# KiCad board IO_SDR_1.1.kicad_pcb (continued)
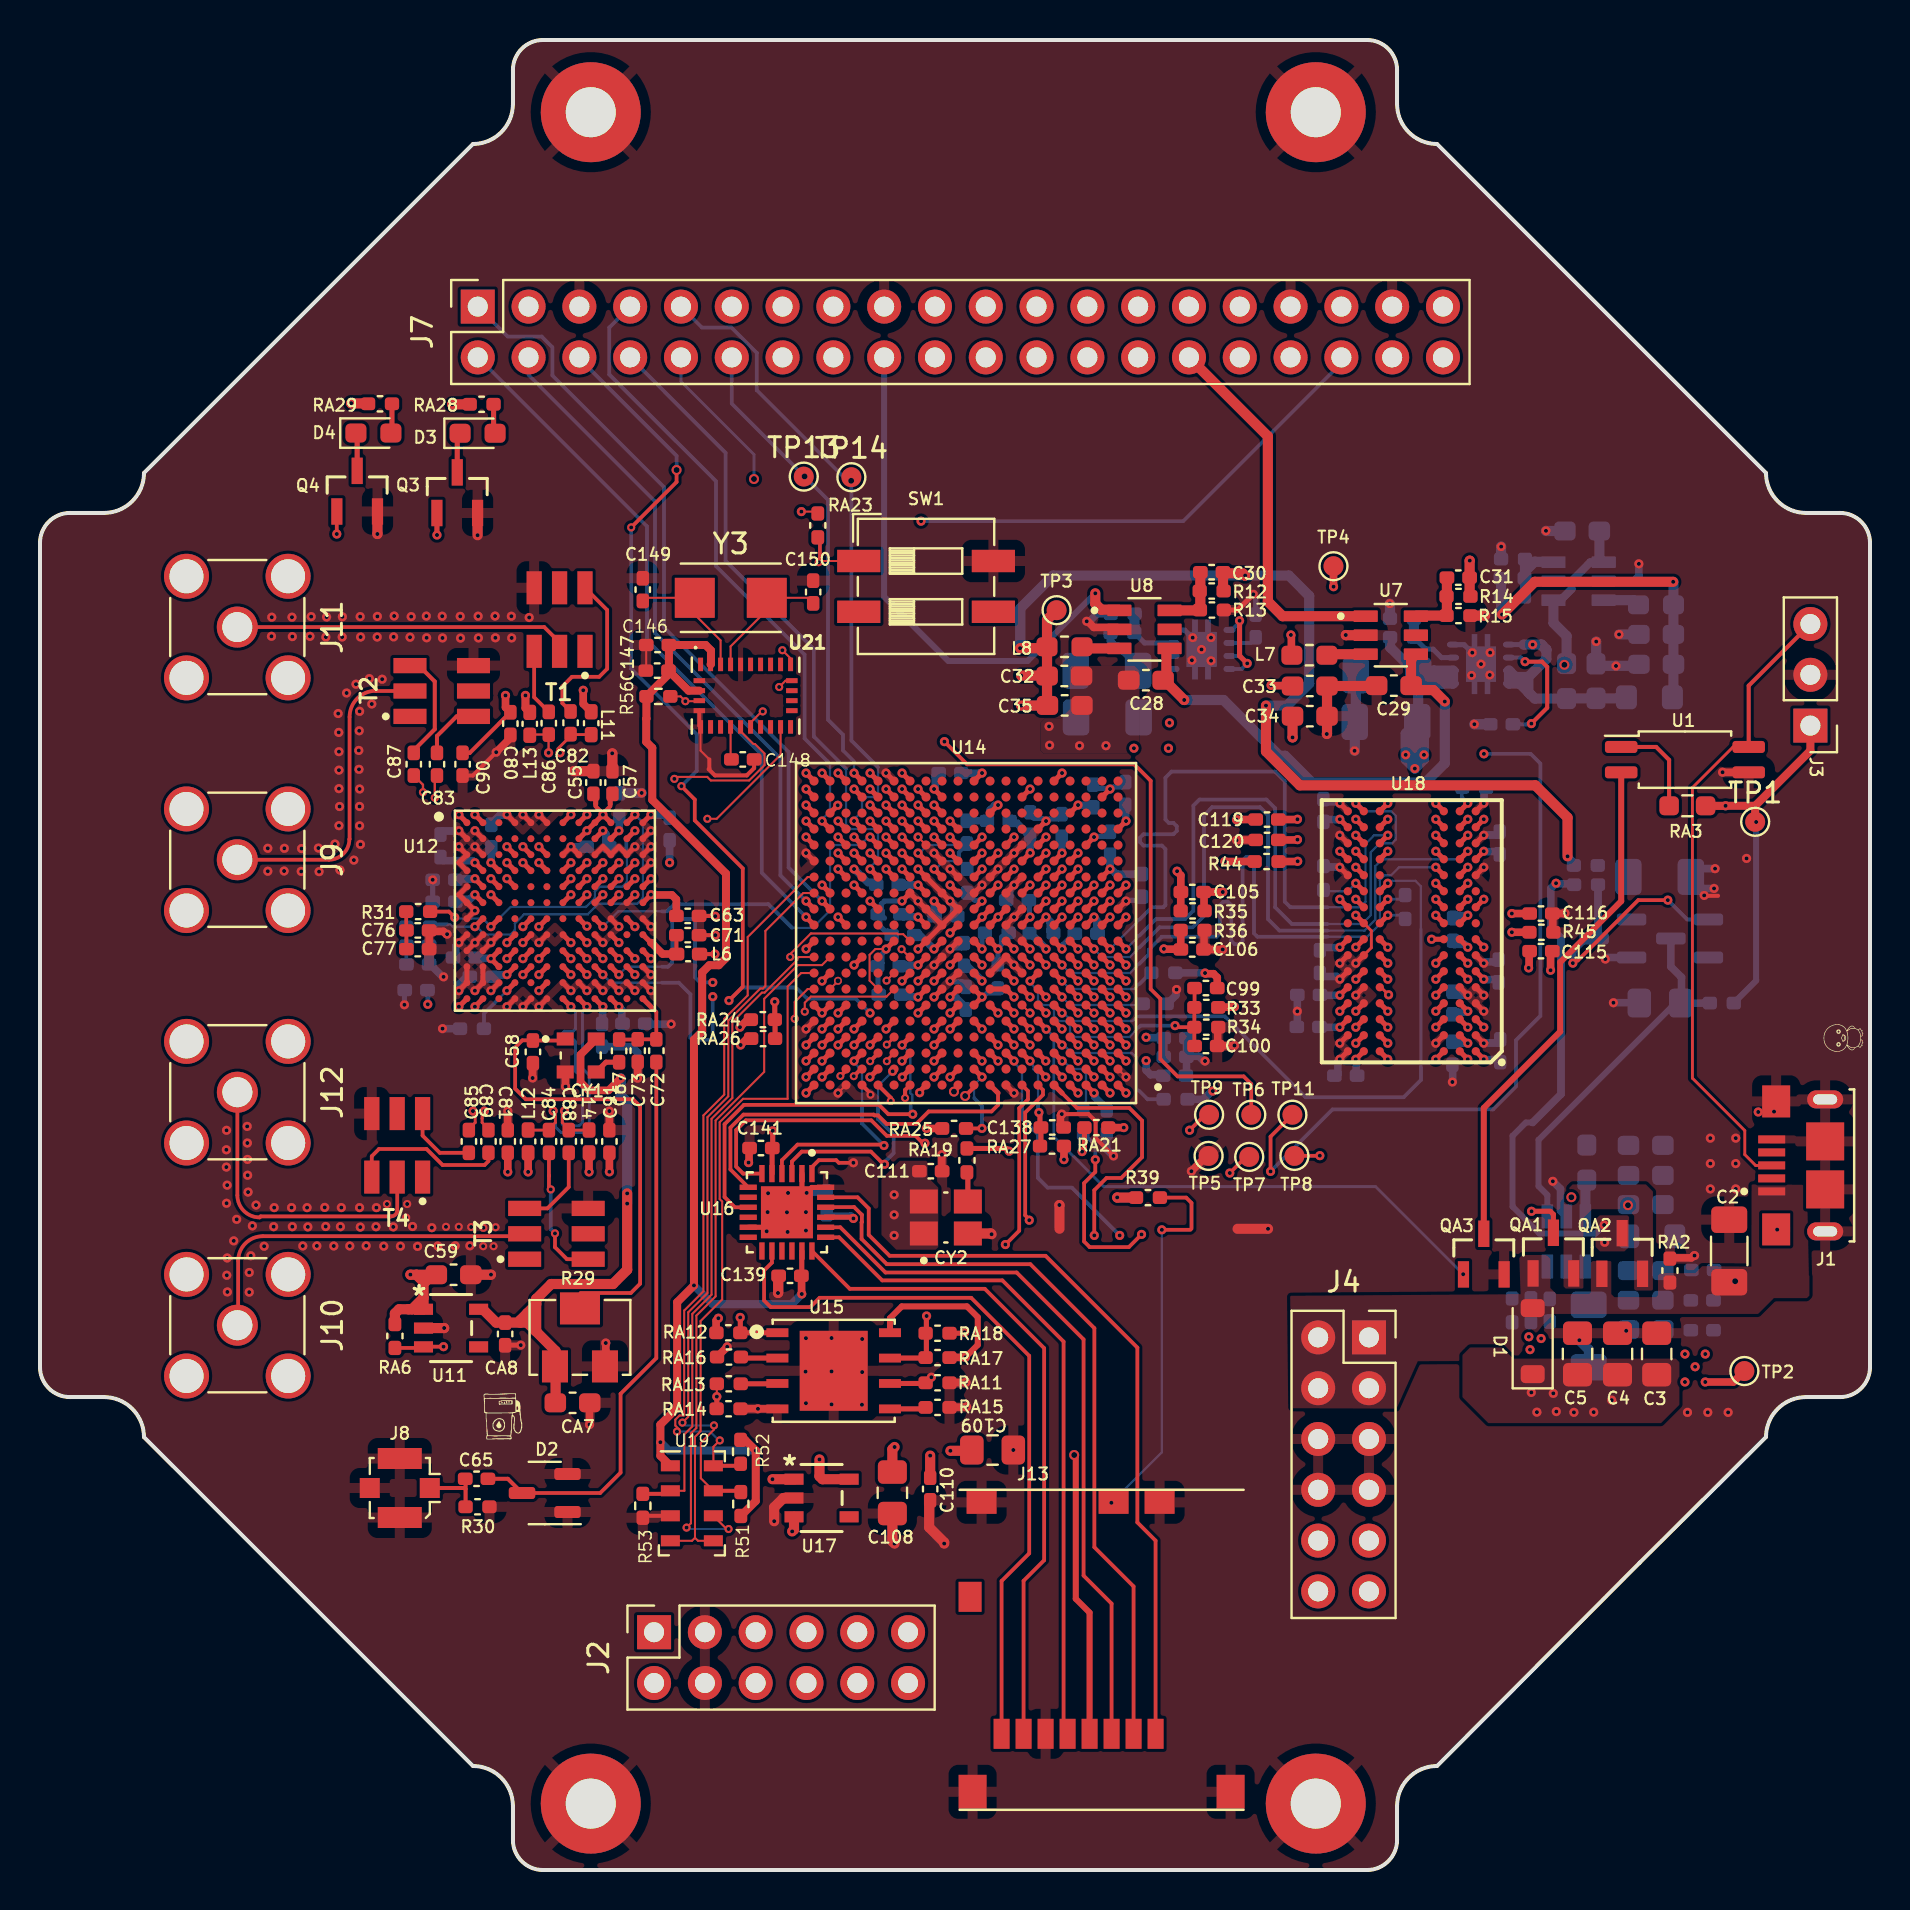
[diagram p0: board, top side]
## Routing (per net, layer and track width the routed paths; a pad name or vN(x,y) marks a point on that pad's centre or on a via; arc(x,y) is an arc through that point) (continued)
TX_VCO_1P1V_SUPPLY: length 15.2
  Top.Cu w0.186: v1(20.74,47.63) 20.44,47.92 R31.2
  Top.Cu w0.254: v1(22.55,47.17) 22.95,47.57 ; U12.B11 v1(29.75,51.97)
  Bottom.Cu w0.113: v1(20.74,47.63) 20.8,47.57 22.14,47.57 v1(22.55,47.17) 23.53,48.15 27.3,48.15 27.74,48.6 27.74,48.93 27.98,49.16 29.11,49.16 29.34,49.4 29.34,51.05 29.31,51.08
  Bottom.Cu w0.186: v1(29.75,51.97) 29.31,51.53 29.31,51.08
UART_RX: length 50
  Top.Cu w0.254: U14.E8 v1(48.7,42.05)
  In4PWR2.Cu w0.113: v1(48.7,42.05) 48.7,42.13 49.1,42.53 49.1,49.3 49.1,49.31 49.1,49.41 49.34,49.65 49.66,49.65 49.9,49.88 49.9,50.23 50.12,50.45 50.47,50.45 50.7,50.68 50.7,55.45 51.24,55.99 51.24,59.72 56.44,64.92 56.44,78.59 57.03,79.18 64.06,79.18 J7.35
UART_TX: length 56.8
  Top.Cu w0.254: U14.D9 v1(47.9,41.25)
  In4PWR2.Cu w0.113: J7.38 66.6,76.64 66.6,78.11 65.32,79.39 56.52,79.39 55.98,78.85 55.98,65.53 49.9,59.45 49.9,50.68 49.66,50.45 49.34,50.45 49.1,50.21 49.1,49.88 48.86,49.65 48.54,49.65 48.3,49.41 48.3,49.08 47.5,48.29 47.5,45.82 47.48,45.8 47.48,45.57 47.5,45.55 47.5,44.53 48.3,43.74 48.3,41.73 47.9,41.33 v1(47.9,41.25)
USR_BTN: length 96.7
  Top.Cu w0.102: SW1.1 39,65.45
  Top.Cu w0.186: v1(55.08,31.78) 54.44,31.14 52.49,31.14 52.21,31.42 52.21,34.35 52.77,34.9 v1(52.77,35.51) ; 39,66.52 39,65.45 v3(38.94,65.39)
  In4PWR2.Cu w0.113: v1(55.08,31.78) 54.41,32.45 50.67,32.45 49.72,33.41 44.28,33.41 43.04,34.65 39.86,34.65 38.34,36.17 36.39,36.17 35.98,36.58 19.37,36.58 18.75,37.2 18.75,45.04 18.76,45.04 18.76,56.99 19.34,57.57 34.9,57.57 35.72,58.39 35.72,58.97 39.2,62.45 39.2,65.13 v3(38.94,65.39)
  Bottom.Cu w0.186: 52.16,36.81 52.38,36.58 52.42,36.58 52.77,36.24 v1(52.77,35.51)
USR_LED: length 97
  Top.Cu w0.254: v1(19.85,66.75) 19.85,67.85 ; U14.C8 v1(48.7,40.45)
  In4PWR2.Cu w0.113: v1(53.98,31.73) 53.91,31.73 53.48,32.16 50.4,32.16 49.45,33.12 44.16,33.12 43.03,34.24 39.69,34.24 38.11,35.82 36.33,35.82 35.9,36.25 18.65,36.25 17.59,37.31 17.59,42.51 17.58,42.52 17.58,43.84 18.44,44.7 18.44,57.12 19.22,57.9 27.24,57.9 27.67,58.33 27.67,59.6 27.29,59.98 27.29,63.62 26.02,64.89 20.1,64.89 19.85,65.14 v1(19.85,66.75)
  Bottom.Cu w0.113: v1(48.7,40.45) 48.7,40.36 49.1,39.97 49.1,38.28
  Bottom.Cu w0.186: 49.1,38.28 49.1,37.57 49.89,36.77 49.89,34.6 50.38,34.12 51.6,34.12 v1(53.98,31.73)
Net-(C10-Pad1): length 17.1
  Top.Cu w0.508: v1(81.66,64.41) 74.74,64.41 v1(73.1,62.77)
  Bottom.Cu w0.508: v1(73.1,62.77) 73.05,62.82 73.05,63.96 ; 73.05,63.96 C10.1 ; 73.05,63.96 73.05,64.57 ; 81.67,58.69 81.67,60.28 ; v1(81.66,64.41) 81.67,64.39 L1.2 C12.1
Net-(C14-Pad1): length 3
  In2_Sig1.Cu w0.4: v2(76.57,33.64) 76.97,33.24 v2(79.4,33.24)
  Bottom.Cu w0.4: C15.1 79.42,33.26 v2(79.4,33.24)
  vias: v1(74.44,26.66) v1(74.5,26.02) v1(75.06,26.57)
Net-(C76-Pad2): length 1.9
  Top.Cu w0.186: 18.31,46.99 R31.1 ; C77.2 C76.2
Net-(C78-Pad2): length 1.9
  Bottom.Cu w0.186: 18.31,46.23 R32.1 ; C79.2 C78.2
Net-(C82-Pad2): length 8.5
  Top.Cu w0.186: T1.6 28.36,63 28.36,60.06 27.96,59.66 26.6,59.66 26.12,59.18 26.12,58.34 C82.2
Net-(C83-Pad2): length 3.1
  Top.Cu w0.2: T2.6 20.83,57.68 19.85,56.7 C83.2
Net-(C84-Pad2): length 6.8
  Top.Cu w0.186: v3(25.75,31.83) 25.75,31.14 26.35,30.54 T3.6 ; C84.2 25.45,34.12 v3(25.54,34.03)
  Bottom.Cu w0.186: v3(25.54,34.03) 25.54,32.04 v3(25.75,31.83)
Net-(C85-Pad2): length 3.8
  Top.Cu w0.186: C85.2 19.99,35.86 19.13,36.72 T4.6
Net-(C86-Pad2): length 3.3
  Top.Cu w0.186: T1.3 24.71,58.64 C86.2
Net-(C87-Pad2): length 5
  Top.Cu w0.2: 18.69,55.99 19.74,57.04 19.74,59.42 18.94,60.22
Net-(C88-Pad2): length 4.4
  Top.Cu w0.186: C88.2 26.44,34.15 25.37,33.08 T3.3
Net-(C89-Pad2): length 7.9
  Top.Cu w0.186: T4.3 16.59,35.69 16.95,36.05 19.33,36.05 20.13,35.25 22.23,35.25 22.42,35.44 C89.2
Net-(CY1-Out): length 1.3
  Top.Cu w0.254: CY1.3 28.3,40.39 28.96,40.39
Net-(CY1-Standby): length 23.3
  Top.Cu w0.186: 24.64,41.48 24.11,41.48 23.76,41.13 23.76,39.07 24.29,38.54 29.65,38.54 30.01,38.18 30.01,29.32 29.54,28.85 27.03,28.85 ; 24.65,41.47 26.18,41.47
Net-(D3-A): length 1.4
  Top.Cu w0.254: 22.68,71.91 RA28.2
Net-(D3-K): length 1.8
  Top.Cu w0.254: Q3.3 20.86,71.7
Net-(D4-A): length 1.4
  Top.Cu w0.254: 17.6,71.9 RA29.2
Net-(D4-K): length 1.8
  Top.Cu w0.254: Q4.3 15.86,71.79
Net-(J8-In): length 3.2
  Top.Cu w0.2: J8.1 21.23,19.1 21.28,19.05 ; 21.28,19.05 21.28,19.54 ; 21.28,19.05 R30.1
Net-(Q1-B): length 12.7
  Top.Cu w0.186: v1(81.39,48.49) 79.91,48.49 76.89,45.47 76.77,45.47 v1(76.64,45.34)
  Bottom.Cu w0.186: Q1.1 82.36,47.53 v1(81.39,48.49)
  Bottom.Cu w0.381: Q2.3 77.9,46.77 R2.2 ; v1(76.64,45.34) 76.64,45.95 77.27,46.58
Net-(Q1-C): length 18.5
  Bottom.Cu w0.3: U4.1 75.37,33.75 74.93,34.19 74.93,36.51 81.77,43.35
  Bottom.Cu w0.381: 82.08,43.38 82.08,44.63 81.54,45.17 Q1.3 ; C9.1 R3.2
Net-(QA3-D): length 25.9
  Top.Cu w0.3: QA3.3 72.19,38.1 76.01,41.92 76.01,45.39 79.06,48.44 U1.2
Net-(R42-Pad2): length 2.3
  Top.Cu w0.254: 47.5,46.45 v1(47.9,46.05)
  Bottom.Cu w0.254: 48.27,46.84 48.08,46.65 48.08,46.28 47.9,46.1 v1(47.9,46.05) 47.89,46.04 47.89,45.29
Net-(RA3-Pad2): length 5
  Top.Cu w0.203: U1.1 80.81,56.15 81.46,55.5 RA3.2
Net-(U3-FB/OUT): length 4
  Bottom.Cu w0.508: 74.25,64.93 R5.1 74.39,65.41 74.76,65.41 ; 74.25,64.93 74.25,63.69 ; 74.25,64.93 74.73,65.41 74.76,65.41 ; 74.76,65.41 75.65,65.41
Net-(U3-LX): length 1.8
  Bottom.Cu w0.508: L1.1 79.69,63.49 78.18,63.49
Net-(U4-LX): length 1.7
  Bottom.Cu w0.508: U4.3 77.27,32.69 77.27,34.42 77.27,34.43
Net-(U5-FB): length 3.3
  Bottom.Cu w0.254: R8.2 69.29,61.04 69.66,61.04 70.08,60.62 U5.3
  Bottom.Cu w0.508: 68.7,61.63 R9.1
Net-(U5-NR): length 6.2
  Top.Cu w0.203: v1(74.57,57.32) 75.36,58.11 75.36,60.16 75.1,60.42 v1(74.25,60.42)
  Bottom.Cu w0.203: U5.6 74.05,60.62 v1(74.25,60.42) ; v1(74.57,57.32) 74.53,57.29 C24.1
Net-(U6-FB): length 3.1
  Bottom.Cu w0.254: R10.2 55.23,61.35 U6.3
  Bottom.Cu w0.508: 54.73,61.87 R11.1
Net-(U6-NR): length 1.4
  Bottom.Cu w0.186: U6.6 60.55,61.35 60.78,61.58
Net-(U7-FB/OUT): length 3.4
  Top.Cu w0.508: 70.35,62.74 C31.2 ; 68.82,62.72 R15.1
Net-(U7-LX): length 1.9
  Top.Cu w0.508: 64.39,60.79 66.28,60.79
Net-(U8-FB/OUT): length 3.4
  Top.Cu w0.508: 58.02,63.02 C30.2 ; U8.6 57.98,62.98
Net-(U8-LX): length 1.8
  Top.Cu w0.508: 52.18,61.08 U8.3
Net-(U12-RBIAS): length 2.9
  Top.Cu w0.254: v1(23.35,43.97) U12.L4
  Bottom.Cu w0.113: 22.95,43.57 v1(23.35,43.97)
  Bottom.Cu w0.186: 22.95,43.57 22.2,42.82 RA8.1
Net-(U14G-PS_DDR_VRN_502): length 4.6
  Top.Cu w0.254: U14.G5 v1(51.1,43.65)
  Bottom.Cu w0.113: 54.97,43.25 51.5,43.25 v1(51.1,43.65)
Net-(U14G-PS_DDR_VRP_502): length 5.5
  Top.Cu w0.254: U14.H5 v1(51.1,44.45)
  Bottom.Cu w0.113: 54.97,44.3 54.72,44.05 51.5,44.05 v1(51.1,44.45)
  Bottom.Cu w0.186: 54.97,44.3 55.53,44.86
Net-(U14H-PS_CLK_500): length 9.6
  Top.Cu w0.254: v1(48.46,35.94) 48.32,36.08 RA19.1 ; U14.E7 v1(49.5,42.05)
  In4PWR2.Cu w0.113: v1(48.46,35.94) 48.46,37.84 48.3,37.99 48.3,39.81 48.54,40.05 48.87,40.05 49.1,40.29 49.1,41.57 49.5,41.96 v1(49.5,42.05)
Net-(U14H-PS_MIO7_500): length 9.3
  Top.Cu w0.254: RA21.1 52.22,36.04 v1(52.1,35.92) ; U14.D8 v1(48.7,41.25)
  In2_Sig1.Cu w0.113: v1(48.7,41.25) 48.78,41.25 48.95,41.07 49.11,41.07 49.34,40.85 49.66,40.85 49.9,40.61 49.9,40.29 50.14,40.05 50.46,40.05 50.7,39.81 50.7,39.49 50.94,39.25 51.26,39.25 51.5,39.01 51.5,38.43 52.1,37.83 v1(52.1,35.92)
Net-(U14H-PS_MIO8_500): length 7.7
  Top.Cu w0.254: U14.D5 v1(51.1,41.25)
  Bottom.Cu w0.113: 54.97,38.94 54.82,39.1 54.82,40.62 54.59,40.85 51.58,40.85 51.19,41.25 v1(51.1,41.25)
  Bottom.Cu w0.186: 54.97,38.94 55.38,38.54 RA22.1
Net-(U14H-PS_MIO14_500): length 3.6
  Top.Cu w0.254: U14.C5 51.1,40.45 v1(51.11,40.45)
  Bottom.Cu w0.113: v1(51.11,40.45) 51.18,40.45 51.58,40.05 52.06,40.05 52.3,39.81 52.3,38.28
Net-(U14I-PS_MIO_VREF_501): length 15.7
  Top.Cu w0.254: v1(45.5,42.05) U14.E11 ; RA26.2 36.75,42.5 ; 36.74,42.52 36.74,43.41 v1(36.74,43.41)
  In4PWR2.Cu w0.113: v1(45.5,42.05) 45.1,42.45 45.1,43.01 44.87,43.25 43.74,43.25 43.5,43.01 43.5,42.68 43.26,42.45 42.94,42.45 42.7,42.21 42.7,41.81 42.54,41.65 42.14,41.65 41.9,41.41 41.9,41.08 41.67,40.85 41.31,40.85 41.1,41.06 41.1,42.35 39.75,43.71 37.03,43.71 v1(36.74,43.41)
Net-(U14I-PS_SRST_B_501): length 4.3
  Top.Cu w0.186: RA25.1 47.1,37.08 v1(47.1,37.08)
  Top.Cu w0.254: U14.B10 v1(47.1,39.65)
  Bottom.Cu w0.113: v1(47.1,39.65) 46.7,39.25 46.7,38.6
  Bottom.Cu w0.186: 46.7,38.6 47.1,38.21 v1(47.1,37.08)
Net-(U18-ZQ0): length 2.1
  Top.Cu w0.254: v1(65.79,49.34) U18.L8
  Bottom.Cu w0.113: v1(65.79,49.34) 65.39,48.94 64.37,48.94
Net-(U21-CAP): length 1.6
  Top.Cu w0.102: 34.53,55.57 U21.9
Net-(U21-XIN32): length 5.5
  Top.Cu w0.102: 32.74,62.77 34.03,61.48 U21.27 ; 30.3,63.61 Y3.1
Net-(U21-XOUT32): length 5.9
  Top.Cu w0.102: C150.1 38.38,63.61 Y3.2 ; U21.26 34.53,61.18 36.34,62.99
unconnected-(R40-Pad1): length 1.6
  Top.Cu w0.254: 46.7,50.45 v1(47.1,50.85)
  Bottom.Cu w0.254: v1(47.1,50.85) 47.1,50.83 46.36,50.09
unconnected-(R41-Pad1): length 1.3
  Top.Cu w0.254: 49.9,47.25 v1(50.3,47.65)
  Bottom.Cu w0.381: 50.5,46.97 50.5,47.43 50.3,47.63 v1(50.3,47.65)

## Copper pours and planes (outline as drawn; the poured copper is in the pictures)
+1V0 on In1.GND1.Cu: 50.12,62.03 51.34,60.81 51.34,55.33 52.13,54.54 56.24,54.54 58.3,52.48 58.3,36.07 56.65,34.42 37.37,34.42 34.55,37.24 34.55,61.52 35.06,62.03
+1V2 on Bottom.Cu: 56.91,60.89 57.01,60.79 57.01,55.91 56.73,55.63 54.39,55.63 54.16,55.86 54.16,60.84 54.21,60.89
+1V2 on In3_PWR1.Cu: 30.95,62.39 58.63,62.39 59.22,61.8 59.22,56.27 58.02,55.07 50.58,55.07 49.49,56.16 33.61,56.16 32.62,55.15 32.62,35.06 29.73,32.16 20.76,32.16 17.66,35.26 17.66,61.6 18.42,62.36 28.51,62.36
+1V5 on In3_PWR1.Cu: 61.4,66.78 59.47,64.85 59.47,56.15 58.11,54.79 51.02,54.79 50.87,54.43 50.89,38.26 51.17,37.86 55.97,37.86 57.87,39.76 61.76,39.76 63.38,38.13 75.07,38.13 77.99,41.05 77.99,62.46 73.67,66.78
+1V8 on Top.Cu: 42.99,35.46 42.07,34.55 42.07,31.75 42.81,31.02 44.79,31.02 44.92,31.14 44.92,34.12 44.38,34.65 44.38,35.39 44.31,35.46
+1V8 on Bottom.Cu: 80.47,24.4 81,23.87 83.44,23.87 83.77,24.2 83.77,25.83 83.06,26.54 83.06,32.1 82.7,32.45 80.65,32.45 80.47,32.27
+1V8 on In3_PWR1.Cu: -2.38,-5.11 66.48,-4.62 104.25,14.58 104.4,93.32 -1.82,92.83
+3V3 on Bottom.Cu: 38.13,33.18 36.43,31.48 36.43,20.79 29.55,20.8 29.36,8.07 32.12,7.95 32.2,17.45 37.47,17.43 57.64,17.43 58.12,17.91 58.12,22.64 56.8,23.96 44.13,23.96 41.69,26.4 41.69,32.97 41.49,33.18
+5VA on Top.Cu: 73.66,25.57 73.1,26.13 71.5,26.13 71.12,25.75 71.12,23.64 72.42,22.34 81.05,22.34 81.97,23.26 81.97,25.39 81.79,25.57
+5VA on Top.Cu: 77.98,32.73 77.78,32.53 77.78,31.16 78.01,30.93 79.22,30.93 79.45,31.16 79.45,32.66 79.38,32.73
+5VA on Bottom.Cu: 78.68,25.84 78.67,29.04 76.03,29.02 76.04,26.3 75.19,25.39 73.84,25.38 73.83,22.69 73.87,22.45 80.98,22.37 81.9,23.28 81.9,25.41 81.36,25.84
+5VA on Bottom.Cu: 76.91,29.73 76.91,30.88 77.8,31.77 77.8,32.66 77.93,32.78 78.44,32.78 78.56,32.66 78.56,26.81 78.18,26.43 76.53,26.43 76.15,26.81 76.15,28.97
+5VA on In2_Sig1.Cu: -7.82,46.49 77.1,48.17 76.98,-17.76 -16.21,-17.89
+5VD on Top.Cu: 75.19,27.3 73.71,25.46 68.89,25.44 67.83,23.07 62.57,23.09 62.51,28.71 74.03,28.79 73.97,30.6 74.12,30.75 75.31,30.75 75.52,30.55 75.52,29.1 75.82,28.8 77.45,28.8 77.55,28.9 77.55,30.37 77.62,30.45 78.56,30.45 78.56,28.8 78.72,28.64 80.8,28.64 80.9,28.74 80.9,29.74 81,29.84 82.76,29.84 83.11,30.19 85.57,30.17 85.58,34.28 88.35,34.26 88.44,29.74 88.47,29.71 88.47,28.72 88.34,28.59 86.69,28.59 85.9,27.8 75.69,27.8
+5VD on In2_Sig1.Cu: -6.08,94.96 105.03,93.76 102.47,-11.38 -6.03,-12.85
+5VP on In4PWR2.Cu: 76.08,44.44 73,41.37 73,32.55 73.46,32.1 75.74,32.1 76.63,32.99 76.63,33.8 83.92,41.09 83.92,43.83 83.31,44.44
+15V on In1.GND1.Cu: 62.49,55.53 62.04,55.07 62.04,44.66 63.43,43.26 74.69,43.26 75.73,44.3 75.73,47.99 74.48,49.23 74.48,54.67 73.62,55.53
GND on Top.Cu: 50.2,55.81 50.02,55.99 50.02,57.36 50.25,57.59 51.04,57.59 51.49,58.04 51.49,60.13 51.57,60.2 54.72,60.2 54.97,59.95 54.97,56.37 54.42,55.81
GND on Top.Cu, Bottom.Cu, In1.GND1.Cu: -4.94,106.58 103.26,106.48 102.42,-12.33 -6.81,-14.93
GND on Bottom.Cu: 50.2,60.96 50,60.76 50,56.04 50.3,55.73 52.21,55.73 52.43,55.96 52.43,60.89 52.36,60.96
GND on In4PWR2.Cu: -2.89,-5.45 65.97,-4.96 103.74,14.24 103.89,92.98 -2.33,92.49
(no net) on In1.GND1.Cu: 72.6,20.27 71.79,19.46 71.79,17.23 71.41,16.84 66.81,16.84 64.14,19.51 64.14,34.5 68.51,38.87 100.19,38.87 101.02,38.03 101.02,31.6 99.7,30.28 83.78,30.28 79.74,26.24 79.74,22.13 77.89,20.27
+12L on In1.GND1.Cu: 26.29,58.89 21.53,54.13 19.64,54.18 18.48,54.18 17.2,52.91 17.2,42.5 18.73,40.97 34.01,40.97 34.31,41.28 34.31,61.62 34.98,62.29 55.33,62.29 63.94,53.68 68.95,53.68 70.34,55.07 70.34,57.23 60.59,66.98 29.68,66.98 26.29,63.59
/Sheet4/P6 on In1.GND1.Cu: 56.86,50.85 57.34,50.37 57.34,48.52 56.73,47.91 56.73,45.8 56.47,45.55 55.64,45.55 55.33,45.85 55.33,46.69 55.03,46.99 50.43,46.99 50.11,47.31 50.11,49.44 49.74,49.81 49.74,50.55 50.04,50.85
Net-(C14-Pad1) on Bottom.Cu: 74.27,27.8 74.2,27.73 74.2,27.02 74.02,26.84 74.02,25.85 74.3,25.57 75.16,25.57 75.9,26.31 75.9,27.75 75.85,27.8
Net-(C14-Pad1) on Bottom.Cu: 79.48,37.53 80.06,36.95 80.06,31.11 79.86,30.9 78.82,30.9 78.69,31.03 78.69,35.07 78.21,35.55 75.52,35.55 75.24,35.83 75.24,37.41 75.36,37.53
Net-(C14-Pad1) on In2_Sig1.Cu: 76.91,37.99 77.29,37.61 77.29,25.93 76.66,25.29 73.99,25.29 73.61,25.67 73.61,30.24 74.75,31.39 74.75,37.61 75.14,37.99
Net-(Q2-B) on Bottom.Cu: 80.37,51.13 80.55,50.96 80.55,47.27 80.3,47.02 78.93,47.02 78.57,47.38 78.57,49.61 78.32,49.86 77.48,49.86 77.35,49.99 77.35,51.03 77.45,51.13
Net-(QA1-S) on Top.Cu: 77.17,32.61 77.6,33.04 79.38,33.04 79.71,32.71 79.71,29.05 79.78,28.97 80.6,28.97 80.65,29.02 80.65,33.93 80.29,34.28 76.63,34.28 76.18,33.82 76.18,29.18 76.28,29.07 77.14,29.07 77.17,29.1
Net-(U4-FB/OUT) on Bottom.Cu: 72.98,30.88 72.85,30.75 72.85,28.46 73.23,28.08 75.77,28.08 75.9,28.21 75.9,30.75 75.77,30.88

## Text on the board
B.Silkscreen: POWER ONLY | TX2 | RX2 | RX1 | TX1
